# Altium PCB ssmaster.PcbDoc (part 1 of 2) (continued)
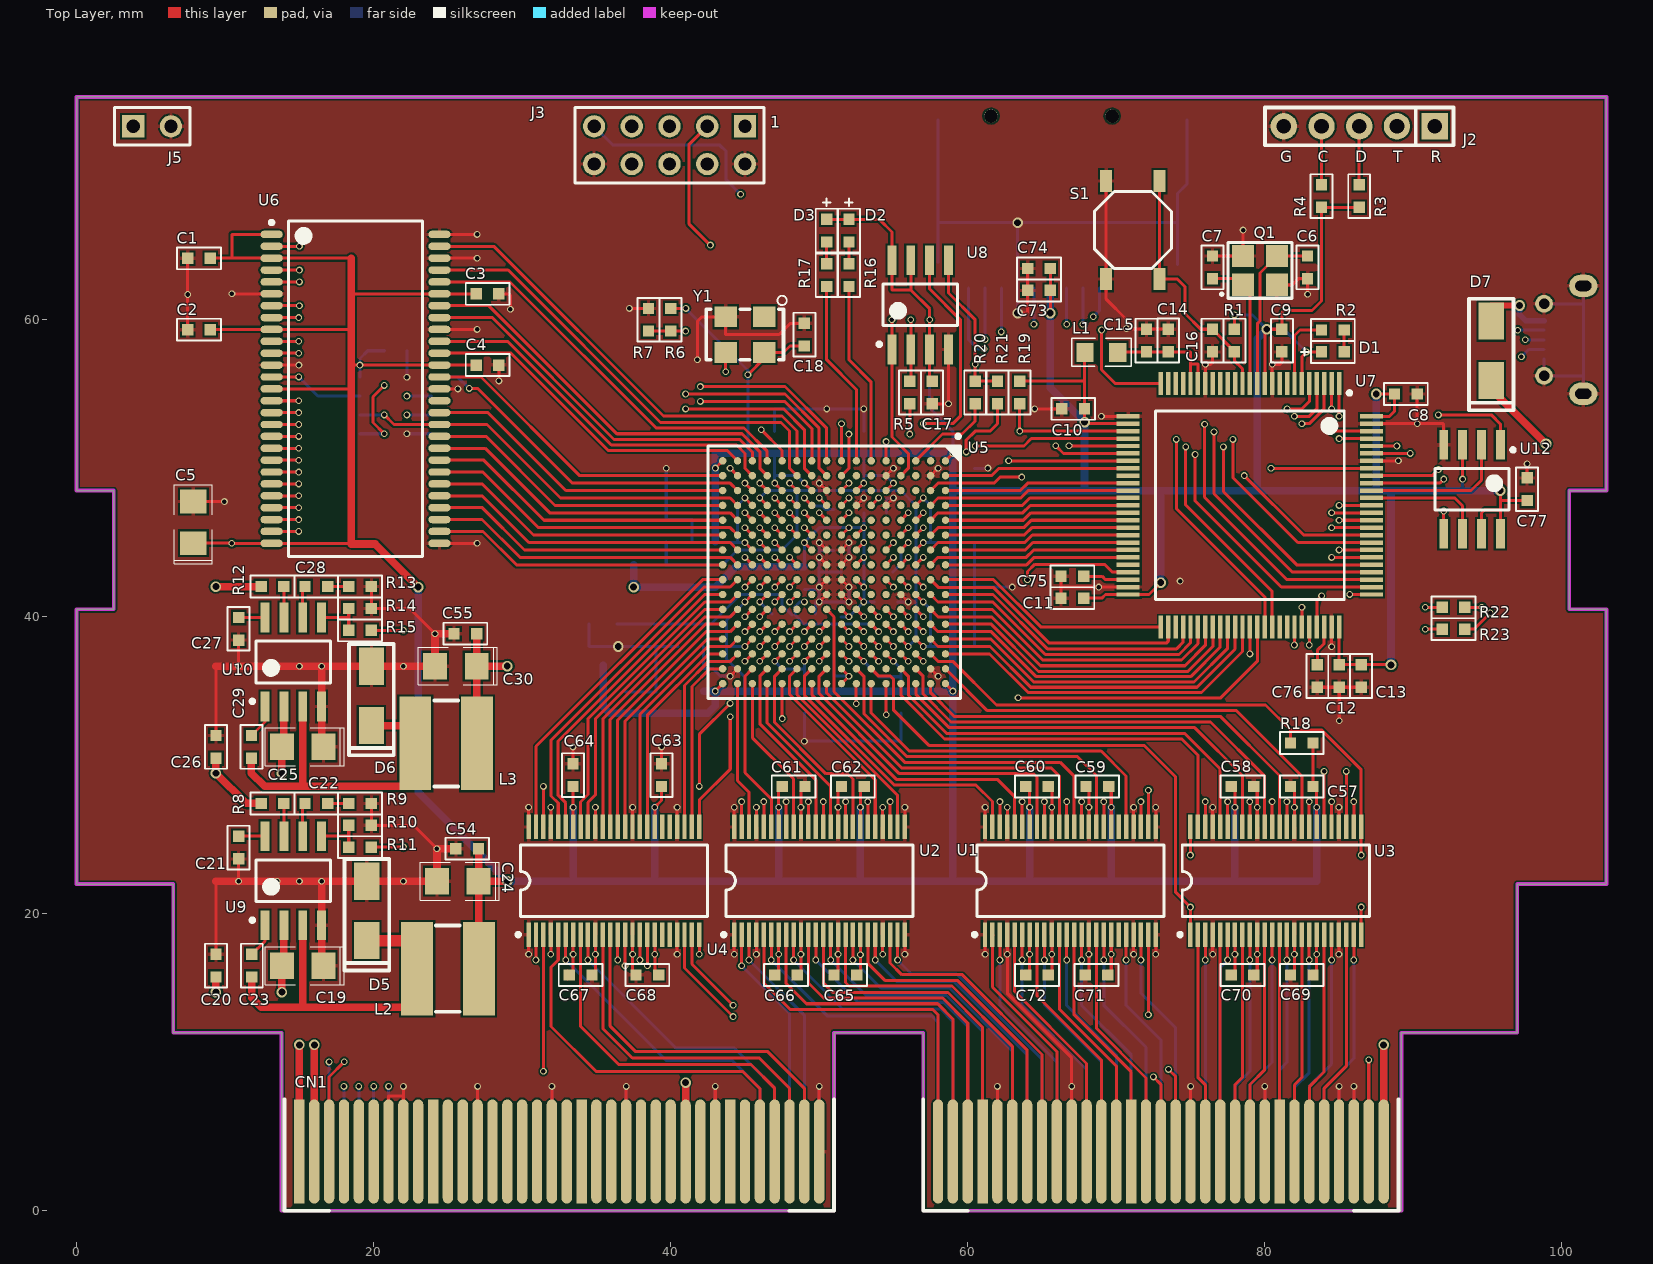
[diagram p0: Top Layer view]
## Footprints (in the part's own frame and the unit in brackets; to place one, negate y for a bottom-side part, rotate by r counter-clockwise, add the part's x,y. Pads: shape width x height; smd on the part's side, far side on the other; paste and mask are expansions set on the pad) (continued)
  silkscreen extent -9.27,-8.5 8.5,8.5, body extent -8.5,-8.5 8.5,8.5, height 2.2
HDR1X2 [mm] "Connector; Header; 2 Position"
  rect 1.5x1.5 hole 0.9: 1(-1.27,0)
  round 1.5 hole 0.9: 2(1.27,0)
  silkscreen extent -2.54,-1.27 2.54,1.27, body extent -2.54,-1.27 2.54,1.27, height 8.6
HDR2X5 [mm] "Connector; Header; 5x2 Position"
  rect 1.5x1.5 hole 0.9: 1(0,0)
  round 1.5 hole 0.9: 2(0,2.54) 3(2.54,0) 4(2.54,2.54) 5(5.08,0) 6(5.08,2.54) 7(7.62,0) 8(7.62,2.54) 9(10.16,0) 10(10.16,2.54)
  silkscreen extent -1.27,-1.27 11.43,3.81
MICROSD-1 [mm] "MicroSD"
  rect 2x0.7 smd: 1(-12.167,10.439) 2(-12.167,9.339) 3(-12.167,8.239) 4(-12.167,7.139) 5(-12.167,6.039) 6(-12.167,4.939) 7(-12.167,3.839) 8(-12.167,2.739) 9(-12.167,1.639)
  rect 1x2 smd: 10(-10.566,15.697) 11(-10.439,-0.406)
  rect 1.7x2 smd: 12(-0.838,-0.406) 13(-0.838,16.358)
  round 0.9 hole 0.9: MH1(-0.584,11.303) MH2(-0.584,3.15)
  silkscreen extent -11.17,0.84 3.56,15.54, body extent -11.82,0.13 3.43,16.13, height 1.85
OSC_5032 [mm]
  rect 1.5x1.4 smd: 1(-1.3,-1.2) 2(1.3,-1.2) 3(1.3,1.2) 4(-1.3,1.2)
  silkscreen extent -2.82,-2.62 2.6,1.7
R0603 [mil]
  rect 30x30 smd: 1(30,0) 2(-30,0)
  silkscreen extent -58,-29 58,29, body extent -32,-16 31,16, height 36
R0805 [mm]
  rect 1.15x1.3 smd: 1(-1.1,0) 2(1.1,0)
  silkscreen extent -2.01,-0.94 2.01,0.97, body extent -1,-0.61 1,0.6, height 0.5
SATURN_CART [mm]
  rect 0.7x7 smd far side: A1(0,0) A10(9,0) A20(19,0) A30(29,0) A40(46,0) A50(56,0) A60(66,0)
  oval 0.7x7 smd far side: A2(1,0) A3(2,0) A4(3,0) A5(4,0) A6(5,0) A7(6,0) A8(7,0) A9(8,0) A11(10,0) A12(11,0) A13(12,0) A14(13,0) A15(14,0) A16(15,0) A17(16,0) A18(17,0) A19(18,0) A21(20,0) A22(21,0) A23(22,0) A24(23,0) A25(24,0) A26(25,0) A27(26,0) A28(27,0) A29(28,0) A31(30,0) A32(31,0) A33(32,0) A34(33,0) A35(34,0) A36(35,0) A37(43,0) A38(44,0) A39(45,0) A41(47,0) A42(48,0) A43(49,0) A44(50,0) A45(51,0) A46(52,0) A47(53,0) A48(54,0) A49(55,0) A51(57,0) A52(58,0) A53(59,0) A54(60,0) A55(61,0) A56(62,0) A57(63,0) A58(64,0) A59(65,0) A61(67,0) A62(68,0) A63(69,0) A64(70,0) A65(71,0) A66(72,0) A67(73,0)
  rect 0.7x7 smd: B1(0,0) B10(9,0) B20(19,0) B30(29,0) B40(46,0) B50(56,0) B60(66,0)
  oval 0.7x7 smd: B2(1,0) B3(2,0) B4(3,0) B5(4,0) B6(5,0) B7(6,0) B8(7,0) B9(8,0) B11(10,0) B12(11,0) B13(12,0) B14(13,0) B15(14,0) B16(15,0) B17(16,0) B18(17,0) B19(18,0) B21(20,0) B22(21,0) B23(22,0) B24(23,0) B25(24,0) B26(25,0) B27(26,0) B28(27,0) B29(28,0) B31(30,0) B32(31,0) B33(32,0) B34(33,0) B35(34,0) B36(35,0) B37(43,0) B38(44,0) B39(45,0) B41(47,0) B42(48,0) B43(49,0) B44(50,0) B45(51,0) B46(52,0) B47(53,0) B48(54,0) B49(55,0) B51(57,0) B52(58,0) B53(59,0) B54(60,0) B55(61,0) B56(62,0) B57(63,0) B58(64,0) B59(65,0) B61(67,0) B62(68,0) B63(69,0) B64(70,0) B65(71,0) B66(72,0) B67(73,0)
  silkscreen extent -1,-4 74,3.5
SIP5 [mil]
  rect 70x70 hole 39: 1(-200,0)
  round 70 hole 39: 2(-100,0) 3(0,0) 4(100,0) 5(200,0)
  silkscreen extent -250,-50 250,50
SMA [mm]
  rect 2.5x1.7 smd: 1(2,0) 2(-2,0)
  silkscreen extent -4,-1.5 3.5,1.5
SMD3225 [mm]
  rect 1.5x1.5 smd: 1(-1.15,-0.975) 2(1.15,-0.975) 3(1.15,0.975) 4(-1.15,0.975)
  silkscreen extent -2.66,-1.88 2.15,1.88, body extent -1.6,-1.25 1.6,1.25, height 0.61
SOIC-8 [mm]
  rect 2x0.6 smd: 1(-3,1.905) 2(-3,0.635) 3(-3,-0.635) 4(-3,-1.905) 5(3,-1.905) 6(3,-0.635) 7(3,0.635) 8(3,1.905)
  silkscreen extent -2.77,-2.5 1.4,2.88, body extent -3.05,-2.44 3.05,2.46, height 1.51
sop-8_n [mm] "8-Pin Small Outline Integrated Circuit 1.27 mm Pitch, IPC Medium Density"
  oval 2.2x0.6 smd: 1(-2.4,1.905) 2(-2.4,0.635) 3(-2.4,-0.635) 4(-2.4,-1.905) 5(2.4,-1.905) 6(2.4,-0.635) 7(2.4,0.635) 8(2.4,1.905)
  silkscreen extent -2.53,-2.5 0.9,2.88, body extent -2.92,-2.45 2.86,2.45, height 1.45
sot-23-xc6206 [mm]
  rect 1.25x0.85 smd: 1(-1.395,0.95) 2(-1.395,-0.95) 3(1.395,0)
  silkscreen extent -1.42,-1.5 0.7,2.05, body extent -1.12,-1.47 1.17,1.45, height 1.04
SW4_5X5 [mm]
  rect 1.5x0.8 smd: 1(-3.3,1.8) 1(3.3,1.8) 2(-3.3,-1.8) 2(3.3,-1.8)
  silkscreen extent -2.6,-2.6 2.6,2.6
TQFP-100 [mm]
  rect 1.55x0.3 smd: 1(-8.2,6) 2(-8.2,5.5) 3(-8.2,5) 4(-8.2,4.5) 5(-8.2,4) 6(-8.2,3.5) 7(-8.2,3) 8(-8.2,2.5) 9(-8.2,2) 10(-8.2,1.5) 11(-8.2,1) 12(-8.2,0.5) 13(-8.2,0) 14(-8.2,-0.5) 15(-8.2,-1) 16(-8.2,-1.5) 17(-8.2,-2) 18(-8.2,-2.5) 19(-8.2,-3) 20(-8.2,-3.5) 21(-8.2,-4) 22(-8.2,-4.5) 23(-8.2,-5) 24(-8.2,-5.5) 25(-8.2,-6) 51(8.2,-6) 52(8.2,-5.5) 53(8.2,-5) 54(8.2,-4.5) 55(8.2,-4) 56(8.2,-3.5) 57(8.2,-3) 58(8.2,-2.5) 59(8.2,-2) 60(8.2,-1.5) 61(8.2,-1) 62(8.2,-0.5) 63(8.2,0) 64(8.2,0.5) 65(8.2,1) 66(8.2,1.5) 67(8.2,2) 68(8.2,2.5) 69(8.2,3) 70(8.2,3.5) 71(8.2,4) 72(8.2,4.5) 73(8.2,5) 74(8.2,5.5) 75(8.2,6)
  rect 0.3x1.55 smd: 26(-6,-8.2) 27(-5.5,-8.2) 28(-5,-8.2) 29(-4.5,-8.2) 30(-4,-8.2) 31(-3.5,-8.2) 32(-3,-8.2) 33(-2.5,-8.2) 34(-2,-8.2) 35(-1.5,-8.2) 36(-1,-8.2) 37(-0.5,-8.2) 38(0,-8.2) 39(0.5,-8.2) 40(1,-8.2) 41(1.5,-8.2) 42(2,-8.2) 43(2.5,-8.2) 44(3,-8.2) 45(3.5,-8.2) 46(4,-8.2) 47(4.5,-8.2) 48(5,-8.2) 49(5.5,-8.2) 50(6,-8.2) 76(6,8.2) 77(5.5,8.2) 78(5,8.2) 79(4.5,8.2) 80(4,8.2) 81(3.5,8.2) 82(3,8.2) 83(2.5,8.2) 84(2,8.2) 85(1.5,8.2) 86(1,8.2) 87(0.5,8.2) 88(0,8.2) 89(-0.5,8.2) 90(-1,8.2) 91(-1.5,8.2) 92(-2,8.2) 93(-2.5,8.2) 94(-3,8.2) 95(-3.5,8.2) 96(-4,8.2) 97(-4.5,8.2) 98(-5,8.2) 99(-5.5,8.2) 100(-6,8.2)
  silkscreen extent -7.7,-6.35 6.35,6.83, body extent -8.03,-8.03 8.03,8.02, height 1.76
USB_MICRO_5S_B [mil] "USB Micro SMT 5S B"
  rect 15x54 smd: 1(51,0) 2(25.5,0) 3(0,0) 4(-25.5,0) 5(-51,0)
  oval 59.06x74.8 hole 27.56 slot 43.31 at 90 deg: 6(-143,104) 7(143,104)
  round 47.24 hole 27.5: 8(95.5,0) 9(-95.5,0)
  silkscreen extent -143,0 143,189, body extent -161,-9 161,204, height 105

## Part data
C1 C2 C3 C4 C5 C6 C7 C8 C9 C10 C11 C12 C13 C14 C15 C16 C17 C18 C19 C20 C21 C22 C23 C24 C25 C26 C27 C28 C29 C30 C31 C32 C33 C34 C35 C36 C37 C38 C39 C40 C41 C42 C43 C44 C45 C46 C47 C48 C49 C50 C51 C52 C53 C54 C55 C56 C57 C58 C59 C60 C61 C62 C63 C64 C65 C66 C67 C68 C69 C70 C71 C72 C73 C74 C75 C76 C77 C78: library part Cap, "Capacitor"
D1 D2 D3: library part LED1, "Typical RED GaAs LED"
D5 D6 D7: library part "DIODE SCHOTTKY", "Schottky Diode"
J1: library part USB_Micro_5S_B, "USB micro female SMT with 4 fixed foot"
J3: library part "Header 5X2", "Header, 5-Pin, Dual row"
J5: library part "Header 2", "Header, 2-Pin"
L1 L2 L3 L4: library part Inductor, "Inductor"
Q1: library part XTAL_SMD2016_32MHz_8pF_General, "XTAL SMD 2016, 32MHz, Cl=8pF, Total Tol: ±40ppm"
R1 R2 R3 R4 R5 R6 R7 R8 R9 R10 R11 R12 R13 R14 R15 R16 R17 R18 R19 R20 R21 R22 R23: library part Res2, "Resistor"
S1: "Switch"
U5: "Cyclone IV Family FPGA, 2V Core, 179 I/O Pins, 2 PLLs, 256-Pin FBGA, Speed Grade 8, Commercial Grade"
U6: "512Mb Synchronous High Data Rate DRAM, 8Mb x 16Bit x 4 Banks, 54-Pin TSOP"
U11: "LDO"
U12 U13: library part SPIMEM
Y1: library part JZSMD5X7

## Via types
v1: diameter 0.457, hole 0.305, Top Layer to Bottom Layer, 446 vias
v2: diameter 0.711, hole 0.457, Top Layer to Bottom Layer, 25 vias

## Nets (pads, with @x,y where several pads share a name; then routed paths per layer and width w, separated by ;. In a path a pad name is that pad's centre, name@x,y a point inside that pad or via, vN(x,y) a via of type N, cw(c..) or ccw(c..) an arc to the next point about the centre after c; other vN are vias at no path point)
1V2: C30.1 C33.2 C34.2 C35.2 C36.2 C37.2 C38.2 C55.2 L3.2 L4.1 R15.1 U5.G6 U5.G7 U5.G8 U5.G9 U5.G10 U5.H6 U5.H11 U5.K7 | length 65.6
  Top Layer w0.203: R15.1@19.847,39.091 v1@21.991,39.091 ; v1(49,45) U5.K7@49.5,44.5 ; U5.H11@51.5,40.5 v1(52,40) ; U5.H6@51.5,45.5 v1(52,46) ; U5.G10@52.5,41.5 v1(53,41) ; U5.G9@52.5,42.5 v1(53,42) ; U5.G8@52.5,43.5 v1(53,44) ; U5.G7@52.5,44.5 v1(53,45) ; U5.G6@52.5,45.5 v1(53,46)
  Top Layer w0.508: C30.1@26.936,36.678 C30.1@26.951,36.678 ; L3.2@26.951,31.471 C30.1@26.951,36.678 ; C55.2@26.951,38.844 C30.1@26.951,36.678 ; v2(29,36.678) C30.1@26.951,36.678
  Mid-Layer 1 w0.203: v1(22,39.1) 24.422,36.678 v2(29,36.678)
  Mid-Layer 1 w0.508: v2(29,36.678) 29,39 32,42 v2(37.5,42)
  Bottom Layer w0.203: v1(49,45) 50.002,46.002 C35.2@51,46.002 ; C37.2@49.006,43.369 v1@49.006,44.994 ; C35.2@51,46 v1(52,46) v1(53,46) ; C38.2@51.462,40 v1(52,40) v1(53,41) ; C33.2@53,47 v1(53,46) ; C34.2@53.738,41 v1(53,41) ; v1(53,41) v1(53,42) v1(53,44) v1(53,45) v1(53,46)
  Bottom Layer w0.508: L4.1@37.5,43.5 v2(37.5,42) 43,42 44.369,43.369 C37.2@49.006,43.369
2V5: C32.2 C52.2 C53.2 C56.2 U5.F12 U5.L5 U11.2 | length 29.6
  Top Layer w0.203: v1(48,47) U5.L5@48.5,46.5 ; U5.F12@53.5,39.5 v1(54,39)
  Mid-Layer 1 w0.203: v1(48,47) 48,46.7 48.5,46.2 48.5,41.5 v1(49,41)
  Bottom Layer w0.203: U11.2@36.399,39.52 39.022,39.52 C32.2@39.024,39.522 ; C32.2@39.024,39.52 42.72,39.52 44.7,41.5 47.238,41.5 47.489,41.25 47.489,40.792 C52.2@48.152,40.129 ; v1(49,41) 48.687,41 48.371,40.684 C52.2@48.371,40.183 48.371,40.129 49,39.5 53.5,39.5 v1(54,39) ; C53.2@51,38.562 51,39.5
3V3: C1.2 C2.2 C3.2 C4.2 C5.1 C8.2 C9.2 C10.2 C11.2 C12.2 C13.2 C17.2 C18.2 C24.1 C31.2 C39.2 C40.2 C41.2 C42.2 C43.2 C44.2 C45.2 C46.2 C47.2 C48.2 C54.2 C57.2 C58.2 C59.2 C60.2 C61.2 C62.2 C63.2 C64.2 C73.2 C74.2 C77.2 C78.2 D1.1 D2.1 D3.1 J3.4 J4.4 L1.1 L2.2 R1.2 R3.2 R4.2 R6.2 R11.1 R18.2 R19.2 U1.31 U1.42 U2.31 U2.42 U3.31 U3.42 U4.31 U4.42 U5.A1 U5.A16 U5.C4 U5.C7 U5.C10 U5.C13 U5.E3 U5.E14 U5.G3 U5.G14 U5.K3 U5.K14 U5.M3 U5.M14 U5.P4 U5.P7 U5.P10 U5.P13 U5.T1 U5.T16 U6.1 U6.3 U6.9 U6.14 U6.27 U6.43 U6.49 U7.6 U7.11 U7.27 U7.50 U7.75 U7.100 U8.3 U8.7 U8.8 U11.3 U12.3 U12.7 U12.8 U13.8 Y1.4 | length 589.4
  Top Layer w0.203: C5.1@7.858,44.955 v1(10.452,44.955) ; C1.2@9.013,64.147 10.46,64.147 ; C2.2@9.013,59.347 U6.9@13.13,59.347 18.453,59.347 ; v1@10.46,44.947 U6.27@13.13,44.947 18.453,44.947 ; U6.14@13.13,55.347 18.447,55.347 ; U6.1@13.13,65.747 10.46,65.747 10.46,64.147 ; 18.453,64.147 U6.3@13.13,64.147 10.46,64.147 ; 18.547,56.947 U6.43@24.43,56.947 C4.2@26.908,56.947 ; 18.553,61.747 U6.49@24.43,61.747 C3.2@26.908,61.747 ; R11.1@19.847,24.486 v1@21.986,24.486 ; U4.42@33.429,25.85 v1(33.429,27.178) C64.2@33.429,28.563 ; U4.31@38.929,25.85 v1(38.929,27.178) 39.386,27.635 C63.2@39.386,28.575 ; R6.2@40,60.762 v1(41.021,60.762) ; v1(43,35) U5.T16@43.5,35.5 ; v1(43.013,50.013) U5.T1@43.5,50.5 ; v1(45,38) U5.P13@45.5,38.5 ; v1(45,41) U5.P10@45.5,41.5 ; v1(45,45) U5.P7@45.5,44.5 ; v1(45,48) U5.P4@45.5,47.5 ; v1(45.2,56.3) 46.3,57.4 Y1.4@46.3,57.8 47.6,57.8 48.038,58.238 C18.2@49,58.238 ; v1(47,37) U5.M14@47.5,37.5 ; v1(47,49) U5.M3@47.5,48.5 ; U2.42@47.272,25.85 v1(47.272,27.178) C61.2@47.272,28.333 ; v1(49,37) U5.K14@49.5,37.5 ; v1(49,49) U5.K3@49.5,48.5 ; D3.1@50.5,66.762 54.038,66.762 54.895,65.905 U8.8@54.895,64 54.895,62.005 56.165,62.005 ; U5.G14@52.5,37.5 v1(53,37) ; U5.G3@52.5,48.5 v1(53,49) ; U2.31@52.772,25.85 v1(52.772,27.178) C62.2@52.772,28.321 ; U5.E14@54.5,37.5 v1(55,37) ; U5.E3@54.5,48.5 v1(55,49) ; U8.7@56.165,64 56.165,62.005 ; U5.C13@56.5,38.5 v1(57,38) ; U5.C10@56.5,41.5 v1(57,41) ; U5.C7@56.5,44.5 v1(57,45) ; U5.C4@56.5,47.5 v1(57,48) ; C17.2@57.435,56.027 U8.3@57.435,58 v1(57.435,60) 57.435,60.735 56.165,62.005 ; U5.A16@58.5,35.5 v1(59,35) ; U5.A1@58.5,50.5 v1(59,51) ; R19.2@63.5,55.862 67.8,55.862 ; U1.42@64.163,25.85 v1(64.163,27.178) C60.2@64.163,28.309 ; v2@65.557,60.454 C73.2@65.557,61.976 C74.2@65.557,63.449 ; C11.2@67.809,41.25 69.028,41.25 69.278,41.5 U7.50@70.8,41.5 72.2,41.5 v2(73,42.3) ; L1.1@67.862,57.762 C10.2@67.862,54 67.862,53.111 67.973,53 U7.27@70.8,53 ; U1.31@69.663,25.85 v1(69.663,27.178) C59.2@69.663,28.397 ; R1.2@77.953,59.36 v1(77.953,60.325) ; U3.42@77.993,25.85 v1(77.993,27.178) C58.2@77.993,28.322 ; U7.11@80,55.7 80,59.223 v2(80.137,59.36) C9.2@81.153,59.36 81.153,60.503 81.28,60.63 83.185,60.63 83.82,61.265 R4.2@83.82,67.564 R3.2@86.36,67.564 ; U7.6@82.5,55.7 82.5,57.532 v1(82.804,57.836) D1.1@83.82,57.836 ; C57.2@83.252,28.575 R18.2@83.252,31.496 ; U3.31@83.493,25.85 v1(83.493,27.178) C57.2@83.493,28.334 ; C12.2@85,36.705 U7.75@85,39.3 ; C12.2@85.014,36.779 C13.2@86.487,36.779 88.483,36.779 v2(88.5,36.762) ; U7.100@87.2,53.5 88.4,53.5 88.738,53.838 C8.2@88.738,55 v2(87.5,55) ; v1(93.32,49.276) U12.3@93.32,51.59 ; U12.7@94.59,45.59 94.59,46.99 94.793,47.193 95.86,47.193 ; U12.8@95.86,45.59 95.86,47.193 ; v2(95.86,48.5) 95.86,47.193 ; 95.878,47.828 C77.2@97.663,47.828
  Top Layer w0.508: 18.5,64.147 18.5,44.9 20.1,44.9 v2(23,42) ; C24.1@27.063,22.2 v2@29,22.2 ; L2.2@27.078,16.307 C54.2@27.078,24.366
  Mid-Layer 1 w0.203: v1(22,24.5) 24.3,22.2 v2(29,22.2) ; v1(41.021,60.762) 41.021,69.046 J3.4@42.46,70.485
  Bottom Layer w0.203: U13.8@19.079,56.134 v1(19.079,56.947) 19.079,57.392 19.599,57.912 C78.2@20.717,57.912 ; v1(41.021,60.762) 45.2,56.583 v1(45.2,56.3) 45.2,51 ; C40.2@43.038,45 44.5,45 ; 44.962,35.038 44.962,35.962 43.762,37.162 C41.2@43.762,38 ; v1(45,38) C41.2@43.762,38 ; v1(45,41) 43.762,39.762 C41.2@43.762,38 ; v1(45,45) 44.5,45 ; v1(45,48) 44.5,47.5 44.5,45 ; v1(47,37) 47.5,36.5 49,36.5 ; v1(47,49) 47,49.5 ; C47.2@47,50.938 47,49.5 ; C42.2@49,35.062 49,36.5 ; v1(49,37) 49,36.5 ; v1(49,49) 48.5,49.5 47,49.5 ; v1(53,37) 54.038,35.962 55.5,35.962 ; v1(53,49) 53,49.5 ; C46.2@53,50.938 53,49.5 ; v1(55,37) 55.5,36.5 C43.2@55.5,35.062 ; v1(55,49) 54.5,49.5 53,49.5 ; v1(57,38) 57.5,38 ; v1(57,41) 57.5,40.5 57.5,38 ; v1(57,45) 57.5,45 ; v1(57,48) 57.5,47.5 57.5,45 ; v1(57.435,60) 57.435,54.065 59,52.5 v1(59,51) ; 58.538,38 57.5,38 ; 58.538,45 57.5,45 ; v1(77.953,60.325) 79.172,60.325 v2(80.137,59.36) 81.28,59.36 v1(82.804,57.836) ; 93.32,48.5 v1(93.32,49.276)
  Bottom Layer w0.508: v2(23,42) 23,28.2 v2(29,22.2) 83.493,22.2 v1(83.493,27.178) ; 33.429,22.213 v1(33.429,27.178) ; U11.3@35.449,36.73 35.447,36.729 C31.2@35.447,34.925 35.447,33.953 35.9,33.5 42.5,33.5 43,34 v1(43,35) 50.5,35 v1(59,35) ; 38.929,22.226 v1(38.929,27.178) ; C39.2@42.224,35.001 v1(43,35) ; C40.2@43,45.038 43,51 45.2,51 C46.2@53,51 ; 47.272,22.2 v1(47.272,27.178) ; 52.772,22.2 v1(52.772,27.178) ; C46.2@53.062,51 v1(59,51) 59,48.5 ; 59,22.22 v1(59,35) ; 64.163,22.2 v1(64.163,27.178) ; J4.4@65.559,62.128 v2(65.559,60.452) 65.559,55.421 v2(67.869,53.111) ; 67.862,48.538 v2@67.862,53.111 ; 69.663,22.225 v1(69.663,27.178) ; v2(73,42.3) 73,48.5 ; 77.993,22.2 v1(77.993,27.178) ; v2(80.137,59.36) 79.5,58.723 79.5,48.5 ; 87.5,48.5 v2(87.5,55) ; v2(88.5,36.762) 88.5,48.494 ; v2(95.86,48.5) 93.32,48.5 79.5,48.5 ; v1(59,35) 59,48.5 ; 59,48.5 73,48.5 ; 73,48.5 79.5,48.5
5V: C19.2 C20.2 C25.2 C26.2 C65.2 C66.2 C67.2 C68.2 C69.2 C70.2 C71.2 C72.2 CN1.A1 CN1.A2 CN1.A27 CN1.A67 CN1.B1 CN1.B2 CN1.B27 CN1.B67 D7.2 J5.1 R8.2 R12.2 U1.7 U1.18 U2.7 U2.18 U3.7 U3.18 U4.7 U4.18 U4.24 U9.2 U10.2 | length 310.6
  Top Layer w0.203: C67.2@33.036,15.621 C67.2@33.036,16.154 ; C67.2@33.429,16.157 v1(33.429,17.272) U4.7@33.429,18.6 ; C68.2@38.929,16.138 v1(38.929,17.272) U4.18@38.929,18.6 ; v1(41.929,17.272) U4.24@41.929,18.6 ; C66.2@47.272,16.141 v1(47.272,17.272) U2.7@47.272,18.6 ; C65.2@52.772,16.129 v1(52.772,17.247) U2.18@52.772,18.6 ; C72.2@64.163,16.141 v1(64.163,17.272) U1.7@64.163,18.6 ; C71.2@69.663,16.104 v1(69.663,17.272) U1.18@69.663,18.6 ; C70.2@77.993,16.128 v1(77.993,17.272) U3.7@77.993,18.6 ; C69.2@83.493,16.117 v1(83.493,17.272) U3.18@83.493,18.6
  Top Layer w0.508: v2(9.382,14.732) C20.2@9.382,15.748 ; C26.2@9.382,30.48 v2(9.382,29.464) 11.414,27.432 R8.2@12.43,27.432 ; v2(9.382,42.037) R12.2@12.43,42.037 ; v2(13.824,14.732) C19.2@13.824,16.51 ; v2(13.824,29.464) C25.2@13.824,31.242 ; C19.2@13.954,16.64 U9.2@13.954,19.225 ; C25.2@13.954,31.372 U10.2@13.954,33.957 ; CN1.B1@15,4 v2(15,11.176) ; CN1.B2@16,4 v2@16,11.176 ; CN1.B27@41,4 41,8.631 v2(41.005,8.636) ; CN1.B67@88,4 v2(88,11.176) ; D7.2@95.25,55.912 95.25,55.321 v2(98.933,51.638)
  Mid-Layer 1 w0.508: J5.1@3.81,73.025 3.81,47.609 v2(9.382,42.037) v2(9.382,29.464) ; v2(13.824,29.464) v2(9.382,29.464) ; v2(16.011,11.176) v2(15,11.176) 15,13.556 v2(13.824,14.732) ; v1(33.429,17.272) 33.429,18.285 ; v1(38.929,17.272) 38.929,18.272 ; v2(41.005,8.636) 41.929,9.56 v1(41.929,17.272) 41.929,18.269 ; v1(47.272,17.272) 47.272,18.265 ; v1(52.772,17.247) 52.772,18.272 ; v1(64.163,17.272) 64.163,18.285 ; v1(69.663,17.272) 69.663,18.272 ; v1(77.993,17.272) 77.993,18.273 ; v1(83.493,17.272) 83.493,18.241 ; v2(88,11.176) 88,18.277 98.933,29.21 v2(98.933,51.638) ; 88,18.288 28.143,18.288 24.587,14.732 v2(13.824,14.732) ; v2(9.382,29.464) v2(9.382,14.732) v2(13.824,14.732)
  Bottom Layer w0.508: CN1.A1@15,4 v2(15,11.176) ; CN1.A2@16,4 v2@16,11.176 ; CN1.A27@41,4 41,8.631 v2(41.005,8.636) ; CN1.A67@88,4 v2(88,11.176)
AA0: CN1.B45 U1.2 | length 16.5
  Top Layer w0.203: U1.2@61.706,18.557 U1.2@61.663,18.6 61.663,15.061 66,10.724 CN1.B45@66,4
AA1: CN1.A45 U1.3 | length 16.2
  Top Layer w0.203: v1(62.163,16.891) U1.3@62.163,18.6
  Bottom Layer w0.203: v1(62.163,16.891) 62.163,13.859 66,10.022 CN1.A45@66,4
AA2: CN1.B44 U2.22 | length 21.2
  Top Layer w0.203: U2.22@54.772,18.6 54.772,16.688 55.559,15.9 59.63,15.9 65,10.53 CN1.B44@65,4
AA3: CN1.B43 U2.19 | length 21.9
  Top Layer w0.203: U2.19@53.272,18.6 53.272,16.664 54.416,15.519 59.3,15.519 64,10.819 CN1.B43@64,4
AA4: CN1.B42 U2.16 | length 23.3
  Top Layer w0.203: U2.16@51.772,18.6 51.772,15.376 52.01,15.138 58.944,15.138 63,11.082 CN1.B42@63,4
AA5: CN1.B40 U2.13 | length 23.6
  Top Layer w0.203: U2.13@50.272,18.6 50.272,15.352 50.918,14.707 58.665,14.707 61,12.371 CN1.B40@61,4
AA6: CN1.B39 U2.11 | length 23.7
  Top Layer w0.203: U2.11@49.272,18.6 49.272,15.336 50.283,14.326 58.309,14.326 60,12.635 CN1.B39@60,4
AA7: CN1.B38 U2.8 | length 24.4
  Top Layer w0.203: U2.8@47.772,18.6 47.772,15.312 49.14,13.945 57.979,13.945 59,12.923 CN1.B38@59,4
AA8: CN1.A40 U2.14 | length 22
  Top Layer w0.203: v1(50.772,16.891) U2.14@50.772,18.6
  Bottom Layer w0.203: v1(50.772,16.891) 53.16,14.503 58.572,14.503 61,12.076 CN1.A40@61,4
AA9: CN1.A42 U2.17 | length 21.8
  Top Layer w0.203: v1(52.272,16.891) U2.17@52.272,18.6
  Bottom Layer w0.203: v1(52.272,16.891) 54.152,15.011 58.776,15.011 63,10.787 CN1.A42@63,4
AA10: CN1.A44 U2.23 | length 20.4
  Top Layer w0.203: v1(55.272,16.891) U2.23@55.272,18.6
  Bottom Layer w0.203: v1(55.272,16.891) 56.212,15.951 59.258,15.951 65,10.209 CN1.A44@65,4
AA11: CN1.A43 U2.20 | length 21.1
  Top Layer w0.203: v1(53.772,16.891) U2.20@53.772,18.6
  Bottom Layer w0.203: v1(53.772,16.891) 55.22,15.443 59.055,15.443 64,10.498 CN1.A43@64,4
AA12: CN1.A38 U2.9 | length 22.9
  Top Layer w0.203: v1(48.272,16.891) U2.9@48.272,18.6
  Bottom Layer w0.203: v1(48.272,16.891) 51.574,13.589 58.166,13.589 59,12.755 CN1.A38@59,4
AA13: CN1.A39 U2.12 | length 22.2
  Top Layer w0.203: v1(49.772,16.891) U2.12@49.772,18.6
  Bottom Layer w0.203: v1(49.772,16.891) 52.617,14.046 58.369,14.046 60,12.415 CN1.A39@60,4
AA14: CN1.B37 U2.5 | length 25.1
  Top Layer w0.203: U2.5@46.272,18.6 46.272,15.339 48.047,13.564 57.649,13.564 58,13.212 CN1.B37@58,4
AA15: CN1.A37 U2.6 | length 23.4
  Top Layer w0.203: v1(46.772,16.891) U2.6@46.772,18.6
  Bottom Layer w0.203: v1@46.745,16.864 v1(46.772,16.891) 50.531,13.132 57.556,13.132 58,12.688 CN1.A37@58,4
AA16: CN1.B35 U4.12 | length 25.2
  Top Layer w0.203: U4.12@35.929,18.6 35.929,12.433 37.643,10.719 46.536,10.719 49,8.255 CN1.B35@49,4
AA17: CN1.A35 U2.3 | length 16.1
  Top Layer w0.203: v1(45.272,16.891) U2.3@45.272,18.6
  Bottom Layer w0.203: v1(45.272,16.891) 49,13.163 CN1.A35@49,4
AA18: CN1.B34 U4.11 | length 24.8
  Top Layer w0.203: U4.11@35.429,18.6 35.429,12.272 37.414,10.287 45.968,10.287 48,8.255 CN1.B34@48,4
AA19: CN1.A34 U2.2 | length 15.9
  Top Layer w0.203: v1(44.772,16.51) U2.2@44.772,18.6
  Bottom Layer w0.203: v1(44.772,16.51) 48,13.282 CN1.A34@48,4
AA20: CN1.B33 U4.8 | length 25.2
  Top Layer w0.203: U4.8@33.929,18.6 33.929,12.426 36.5,9.855 45.4,9.855 47,8.255 CN1.B33@47,4
AA21: CN1.A33 U4.9 | length 22.1
  Top Layer w0.203: v1(34.429,16.891) U4.9@34.429,18.6
  Bottom Layer w0.203: v1(34.429,16.891) 40.347,10.973 44.282,10.973 47,8.255 CN1.A33@47,4
AA22: CN1.B32 U4.5 | length 26.4
  Top Layer w0.203: U4.5@32.429,18.6 32.429,16.894 31.944,16.408 31.944,12.421 34.966,9.398 44.84,9.398 46,8.238 CN1.B32@46,4
AA23: CN1.A32 U4.6 | length 22.6
  Top Layer w0.203: v1(32.929,16.891) U4.6@32.929,18.6
  Bottom Layer w0.203: v1(32.929,16.891) 39.685,10.135 44.12,10.135 46,8.255 CN1.A32@46,4
AAS: CN1.A53 U1.22 | length 15.6
  Top Layer w0.203: v1(71.663,16.891) U1.22@71.663,18.6
  Bottom Layer w0.203: v1(71.663,16.891) 71.663,14.646 74,12.309 CN1.A53@74,4
ACS0: CN1.A47 U1.6 | length 16.4
  Top Layer w0.203: v1(63.663,16.891) U1.6@63.663,18.6
  Bottom Layer w0.203: v1(63.663,16.891) 63.663,13.858 68,9.521 CN1.A47@68,4
ACS1: CN1.B48 U1.8 | length 16.4
  Top Layer w0.203: U1.8@64.663,18.6 64.663,14.478 69,10.141 CN1.B48@69,4
ACS2: CN1.A48 U1.9 | length 16.2
  Top Layer w0.203: v1(65.163,16.891) U1.9@65.163,18.6
  Bottom Layer w0.203: v1(65.163,16.891) 65.163,13.856 69,10.019 CN1.A48@69,4
AD0: CN1.A55 U3.3 | length 14.6
  Top Layer w0.203: v1(75.993,16.891) U3.3@75.993,18.6
  Bottom Layer w0.203: v1(75.993,16.891) 75.993,4.007 CN1.A55@76,4
AD1: CN1.A56 U3.6 | length 14.8
  Top Layer w0.203: v1(77.493,16.891) U3.6@77.493,18.6
  Bottom Layer w0.203: CN1.A56@77,4 77,16.398 v1(77.493,16.891)
AD2: CN1.A57 U3.9 | length 15
  Top Layer w0.203: v1(78.993,16.891) U3.9@78.993,18.6
  Bottom Layer w0.203: CN1.A57@77.99,4.01 CN1.A57@78,4 77.987,4.013 77.987,8.382 78.993,9.388 v1(78.993,16.891)
AD3: CN1.A58 U3.12 | length 15.2
  Top Layer w0.203: v1(80.493,16.891) U3.12@80.493,18.6
  Bottom Layer w0.203: CN1.A58@79,4 79,8.499 80.493,9.992 v1(80.493,16.891)
AD4: CN1.B58 U3.11 | length 15
  Top Layer w0.203: CN1.B58@79,4 79,8.506 79.993,9.499 U3.11@79.993,18.6
AD5: CN1.B57 U3.8 | length 14.8
  Top Layer w0.203: CN1.B57@78,4 78,8.496 78.493,8.99 U3.8@78.493,18.6
AD6: CN1.B56 U3.5 | length 14.6
  Top Layer w0.203: U3.5@76.993,18.6 76.993,4.007 CN1.B56@77,4
AD7: CN1.B55 U3.2 | length 14.8
  Top Layer w0.203: U3.2@75.493,18.6 75.493,8.997 76,8.49 CN1.B55@76,4
AD8: CN1.A60 U3.14 | length 14.8
  Top Layer w0.203: v1(81.493,16.891) U3.14@81.493,18.6
  Bottom Layer w0.203: CN1.A60@81,4 81,9.508 81.493,10.002 v1(81.493,16.891)
AD9: CN1.A61 U3.17 | length 15
  Top Layer w0.203: v1(82.993,16.891) U3.17@82.993,18.6
  Bottom Layer w0.203: CN1.A61@82,4 82,8.3 82.993,9.293 v1(82.993,16.891)
AD10: CN1.A62 U3.20 | length 15.2
  Top Layer w0.203: v1(84.493,16.891) U3.20@84.493,18.6
  Bottom Layer w0.203: CN1.A62@83,4 83,8.382 84.493,9.875 v1(84.493,16.891)
AD11: CN1.A63 U3.23 | length 15.4
  Top Layer w0.203: v1(85.993,16.891) U3.23@85.993,18.6
  Bottom Layer w0.203: CN1.A63@84,4 84,8.267 85.993,10.26 v1(85.993,16.891)
AD12: CN1.B63 U3.22 | length 15.2
  Top Layer w0.203: CN1.B63@84,4 84,8.248 85.493,9.741 U3.22@85.493,18.6
AD13: CN1.B62 U3.19 | length 15
  Top Layer w0.203: CN1.B62@82.99,4.01 CN1.B62@83,4 83,8.349 83.993,9.343 U3.19@83.993,18.6
AD14: CN1.B61 U3.16 | length 14.8
  Top Layer w0.203: CN1.B61@82,4 82,8.484 82.493,8.977 U3.16@82.493,18.6
AD15: CN1.B60 U3.13 | length 14.6
  Top Layer w0.203: U3.13@80.993,18.6 80.993,4.007 CN1.B60@81,4
ADIR: U3.1 U3.24 U5.F15 | length 49.1
  Top Layer w0.203: U5.F15@53.5,36.5 54,36 54.805,36 54.991,35.814 54.991,33.731 57.379,31.344 71.866,31.344 74,29.21 74,21.445 v1(74.993,20.452) U3.1@74.993,18.6 ; U3.24@86.493,18.6 v1(86.493,20.452)
  Mid-Layer 1 w0.203: v1(74.993,20.452) v1(86.493,20.452)
ADOE: R18.1 U3.25 U3.48 U5.B14 | length 52.3
  Top Layer w0.203: U5.B14@57.5,37.5 58,37 59,37 61.939,34.061 80.051,34.061 81.728,32.385 ; v1(74.993,23.952) U3.48@74.993,25.85 ; R18.1@81.728,31.496 81.728,32.385 ; v1(86.493,23.952) 86.493,29.702 83.811,32.385 81.728,32.385
  Mid-Layer 1 w0.203: v1(74.993,23.952) v1(86.493,23.952)
AFC0: CN1.A50 U1.14 | length 16
  Top Layer w0.203: v1(67.663,16.891) U1.14@67.663,18.6
  Bottom Layer w0.203: v1(67.663,16.891) 67.663,13.846 71,10.509 CN1.A50@71,4
AFC1: CN1.B50 U1.13 | length 16.2
  Top Layer w0.203: U1.13@67.163,18.6 67.163,13.203 71,9.366 CN1.B50@71,4
AIRQ: CN1.B53 U4.23 | length 42.7
  Top Layer w0.203: U4.23@41.429,18.6 41.429,16.61 v1(44.196,13.843) ; v1(73.517,9.525) 74,9.042 CN1.B53@74,4
  Mid-Layer 1 w0.203: v1(44.196,13.843) 69.199,13.843 v1(73.517,9.525)
AMCLK: CN1.B66 U1.23 | length 27.7
  Top Layer w0.203: v1(72.163,13.208) U1.23@72.163,18.6 ; CN1.B66@87,4 v1(87,10.16)
  Mid-Layer 1 w0.203: v1(72.163,13.208) 75.211,10.16 v1(87,10.16)
ARD: CN1.B47 U1.5 | length 16.6
  Top Layer w0.203: U1.5@63.163,18.6 63.163,14.764 68,9.927 CN1.B47@68,4
ATIM0: CN1.A51 U1.17 | length 15.8
  Top Layer w0.203: v1(69.163,16.891) U1.17@69.163,18.6
  Bottom Layer w0.203: v1(69.163,16.891) 69.163,13.844 72,11.007 CN1.A51@72,4
ATIM1: CN1.B51 U1.16 | length 16
  Top Layer w0.203: U1.16@68.663,18.6 68.663,12.287 72,8.95 CN1.B51@72,4
ATIM2: CN1.A52 U1.20 | length 15.6
  Top Layer w0.203: v1(70.663,16.891) U1.20@70.663,18.6
  Bottom Layer w0.203: v1(70.663,16.891) 70.663,13.843 73,11.506 CN1.A52@73,4
AWAIT: CN1.B52 U4.22 | length 42.1
  Top Layer w0.203: U4.22@40.929,18.6 40.929,16.348 v1(44.196,13.081) ; v1(72.501,9.017) 73,8.518 CN1.B52@73,4
  Mid-Layer 1 w0.203: v1(44.196,13.081) 68.437,13.081 v1(72.501,9.017)
AWR0: CN1.A49 U1.12 | length 16
  Top Layer w0.203: v1(66.663,16.891) U1.12@66.663,18.6
  Bottom Layer w0.203: v1(66.663,16.891) 66.663,13.83 70,10.493 CN1.A49@70,4
AWR1: CN1.B49 U1.11 | length 16.2
  Top Layer w0.203: U1.11@66.163,18.6 66.163,13.593 70,9.756 CN1.B49@70,4
CLK_50M: U5.M1 Y1.3 | length 8.9
  Top Layer w0.203: v1(43.7,56.5) Y1.3@43.7,57.8 ; v1(46.1,52.6) 47.5,51.2 U5.M1@47.5,50.5
  Mid-Layer 1 w0.203: v1(43.7,56.5) 46.1,54.1 v1(46.1,52.6)
DEBUG_LED: R2.2 U7.7 | length 5.2
  Top Layer w0.203: U7.7@82,55.7 82,58.937 82.372,59.309 R2.2@83.82,59.309
DEBUG_LED0: R16.1 U5.F1 | length 12.4
  Top Layer w0.203: R16.1@52,62.238 52,57.3 53.5,55.8 U5.F1@53.5,50.5
DEBUG_LED1: R17.1 U5.G1 | length 12.6
  Top Layer w0.203: R17.1@50.5,62.238 50.5,57.3 52.5,55.3 U5.G1@52.5,50.5
DEBUG_RX: J2.1 U7.95 | length 25.3
  Top Layer w0.203: U7.95@87.2,51 v1(89.789,51)
  Mid-Layer 1 w0.203: v1(89.789,51) 89.789,55.524 91.44,57.175 J2.1@91.44,73.025
DEBUG_TX: J2.2 U7.96 | length 23.2
  Top Layer w0.203: U7.96@87.2,51.5 v1(88.9,51.5)
  Mid-Layer 1 w0.203: v1(88.9,51.5) J2.2@88.9,73.025
EPCS_SI: R20.1 R21.2 U7.31 U8.5 | length 24.4
  Top Layer w0.203: U8.5@58.705,64 58.705,61.795 60.5,60 v1(60.5,57) R20.1@60.5,55.862 R21.2@62,55.862 ; v1(65.929,51.511) 66.44,51 U7.31@70.8,51
  Mid-Layer 1 w0.203: v1(60.5,57) 62.533,57 65.929,53.604 v1(65.929,51.511)
EPCS_SO: R5.2 U7.30 U8.2 | length 23.4
  Top Layer w0.203: R5.2@56.165,55.927 U8.2@56.165,58 v1(56.165,60) ; v1@66.818,51.5 U7.30@70.8,51.5
  Mid-Layer 1 w0.203: v1(56.165,60) 58.634,57.531 62.789,57.531 66.818,53.502 v1(66.818,51.511)
FA0: U1.47 U5.K15 | length 19.3
  Top Layer w0.203: U5.K15@49.5,36.5 49,36 49,34.722 55.046,28.677 60.545,28.677 61.663,27.559 U1.47@61.663,25.85
FA1: U1.46 U5.P14 | length 23.8
  Top Layer w0.203: v1(45,37) U5.P14@45.5,37.5 ; U1.46@62.163,25.85 v1(62.163,27.559)
  Mid-Layer 1 w0.203: v1(45,37) 45,36.485 51.589,29.896 59.826,29.896 v1(62.163,27.559)
FA2: U2.27 U5.N12 | length 25
  Top Layer w0.203: v1(46,39) U5.N12@46.5,39.5 ; U2.27@54.772,25.85 v1(54.772,27.559)
  Mid-Layer 1 w0.203: v1(46,39) 45.696,39 45.196,38.5 43.403,38.5 42.51,37.608 42.51,33.96 45.558,30.912 48.463,30.912 50.114,29.261 53.07,29.261 v1(54.772,27.559)
FA3: U2.30 U5.N11 | length 24.9
  Top Layer w0.203: v1(46,40) U5.N11@46.5,40.5 ; U2.30@53.272,25.85 v1(53.272,27.559)
  Mid-Layer 1 w0.203: v1(46,40) 45.5,39.5 43.818,39.5 42.139,37.821 42.139,33.807 45.491,30.455 48.412,30.455 49.987,28.88 51.951,28.88 v1(53.272,27.559)
FA4: U2.33 U5.P11 | length 23.4
  Top Layer w0.203: v1(45,40) U5.P11@45.5,40.5 ; U2.33@51.772,25.85 v1(51.772,27.559)
  Mid-Layer 1 w0.203: v1(45,40) 43.785,40 41.732,37.948 41.732,33.706 45.441,29.997 48.362,29.997 49.859,28.5 50.831,28.5 v1(51.772,27.559)
FA5: U2.36 U5.M10 | length 25.3
  Top Layer w0.203: v1(47,41) U5.M10@47.5,41.5 ; U2.36@50.272,25.85 v1(50.272,27.559)
  Mid-Layer 1 w0.203: v1(47,41) 46.5,40.5 43.726,40.5 41.351,38.125 41.351,33.503 45.288,29.566 48.265,29.566 v1(50.272,27.559)
FA6: U2.38 U5.M9 | length 25.6
  Top Layer w0.203: v1(47,42) U5.M9@47.5,42.5 ; U2.38@49.272,25.85 v1(49.272,27.559)
  Mid-Layer 1 w0.203: v1(47,42) 46.5,41.5 44.218,41.5 40.97,38.252 40.97,33.376 45.206,29.14 47.691,29.14 v1(49.272,27.559)
FA7: U2.41 U5.P9 | length 23
  Top Layer w0.203: v1(45,42) U5.P9@45.5,42.5 ; U2.41@47.772,25.85 v1(47.772,27.559)
  Mid-Layer 1 w0.203: v1(45,42) 44.184,42 40.589,38.405 40.589,33.249 45.085,28.753 46.578,28.753 v1(47.772,27.559)
FA8: U2.35 U5.N16 | length 11.4
  Top Layer w0.203: U5.N16@46.5,35.5 46.5,32.85 50.772,28.578 U2.35@50.772,25.85
FA9: U2.32 U5.M15 | length 13.9
  Top Layer w0.203: U5.M15@47.5,36.5 47,36 47,32.883 50.444,29.439 51.908,29.439 52.272,29.075 U2.32@52.272,25.85
FA10: U2.26 U5.L16 | length 12.5
  Top Layer w0.203: U5.L16@48.5,35.5 48.5,34.755 55.272,27.983 U2.26@55.272,25.85
FA11: U2.29 U5.L15 | length 13.2
  Top Layer w0.203: U5.L15@48.5,36.5 48,36 48,34.788 53.772,29.016 U2.29@53.772,25.85
FA12: U2.40 U5.P16 | length 10.8
  Top Layer w0.203: U5.P16@45.5,35.5 45.5,31.859 48.272,29.087 U2.40@48.272,25.85
FA13: U2.37 U5.N15 | length 12.4
  Top Layer w0.203: U5.N15@46.5,36.5 46,36 46,32.791 49.772,29.019 U2.37@49.772,25.85
FA14: U2.44 U5.N9 | length 23.9
  Top Layer w0.203: v1(46,42) U5.N9@46.5,42.5 ; U2.44@46.272,25.85 v1(46.272,27.559)
  Mid-Layer 1 w0.203: v1(46,42) 45.5,42.5 44.126,42.5 40.208,38.583 40.208,33.122 45.11,28.219 45.612,28.219 v1(46.272,27.559)
FA15: U2.43 U5.P15 | length 11.6
  Top Layer w0.203: U5.P15@45.5,36.5 45,36 45,29.508 46.772,27.736 46.772,27.381 U2.43@46.772,25.85
FA16: U4.37 U5.T12 | length 17.5
  Top Layer w0.203: U4.37@35.929,25.85 35.929,33.084 42.345,39.5 U5.T12@43.5,39.5
FA17: U2.46 U5.R16 | length 10
  Top Layer w0.203: U5.R16@44.5,35.5 44.5,28.966 45.272,28.194 45.272,27.178 U2.46@45.272,25.85
FA18: U4.38 U5.R11 | length 19.4
  Top Layer w0.203: U4.38@35.429,25.85 35.429,33.118 42.311,40 44,40 U5.R11@44.5,40.5
FA19: U2.47 U5.L9 | length 25.8
  Top Layer w0.203: U2.47@44.772,25.85 v1(44.772,27.559) ; v1(48,42) U5.L9@48.5,42.5
  Mid-Layer 1 w0.203: v1(44.772,27.559) 39.827,32.504 39.827,38.71 43.948,42.83 47.17,42.83 v1(48,42)
FA20: U4.41 U5.R10 | length 21
  Top Layer w0.203: U4.41@33.929,25.85 33.929,27.528 34.433,28.032 34.433,33.138 42.295,41 44,41 U5.R10@44.5,41.5
FA21: U4.40 U5.T11 | length 19.1
  Top Layer w0.203: U4.40@34.429,25.85 34.429,27.504 34.941,28.016 34.941,33.138 42.303,40.5 U5.T11@43.5,40.5
FA22: U4.44 U5.R9 | length 23.1
  Top Layer w0.203: U4.44@32.429,25.85 32.429,27.455 31.944,27.94 31.944,31.69 42.254,42 44,42 U5.R9@44.5,42.5
FA23: U4.43 U5.T10 | length 21.2
  Top Layer w0.203: U4.43@32.929,25.85 32.929,27.472 32.426,27.975 32.426,31.639 42.287,41.5 U5.T10@43.5,41.5
FAIRQ: U4.26 U5.T15 | length 12
  Top Layer w0.203: U4.26@41.429,25.85 41.429,35.308 42.621,36.5 U5.T15@43.5,36.5
FAS: U1.27 U5.L13 | length 31.2
  Top Layer w0.203: v1(48,38) U5.L13@48.5,38.5 ; U1.27@71.663,25.85 v1(71.663,27.559)
  Mid-Layer 1 w0.203: v1(48,38) 48.5,37.5 48.5,36.082 52.4,32.182 67.04,32.182 v1(71.663,27.559)
FAWAIT: U4.27 U5.R14 | length 14
  Top Layer w0.203: U4.27@40.929,25.85 40.929,35.366 42.563,37 44,37 U5.R14@44.5,37.5
FCS0: U1.43 U5.N13 | length 26
  Top Layer w0.203: v1(46,38) U5.N13@46.5,38.5 ; U1.43@63.663,25.85 v1(63.663,27.559)
  Mid-Layer 1 w0.203: v1(46,38) 46,37.704 45.5,37.204 45.5,36.491 51.714,30.277 60.945,30.277 v1(63.663,27.559)
FCS1: U1.41 U5.J15 | length 22.2
  Top Layer w0.203: U5.J15@50.5,36.5 50,36 50,34.836 55.397,29.439 64.434,29.439 64.663,29.21 U1.41@64.663,25.85
FCS2: U1.40 U5.N14 | length 25.8
  Top Layer w0.203: v1(46,37) U5.N14@46.5,37.5 ; U1.40@65.163,25.85 v1(65.163,27.559)
  Mid-Layer 1 w0.203: v1(46,37) 46,36.499 51.841,30.658 62.064,30.658 v1(65.163,27.559)
FD0: U3.46 U5.K12 | length 36.9
  Top Layer w0.203: v1(49,39) U5.K12@49.5,39.5 ; U3.46@75.993,25.85 v1(75.993,27.559)
  Mid-Layer 1 w0.203: v1(49,39) 49.5,38.5 49.5,36.327 51.156,34.671 53.238,34.671 53.67,34.239 55.169,34.239 56.032,33.376 61.523,33.376 63.301,35.154 68.399,35.154 v1(75.993,27.559)